# KiCad board Mynd_Main.kicad_pcb (continued)
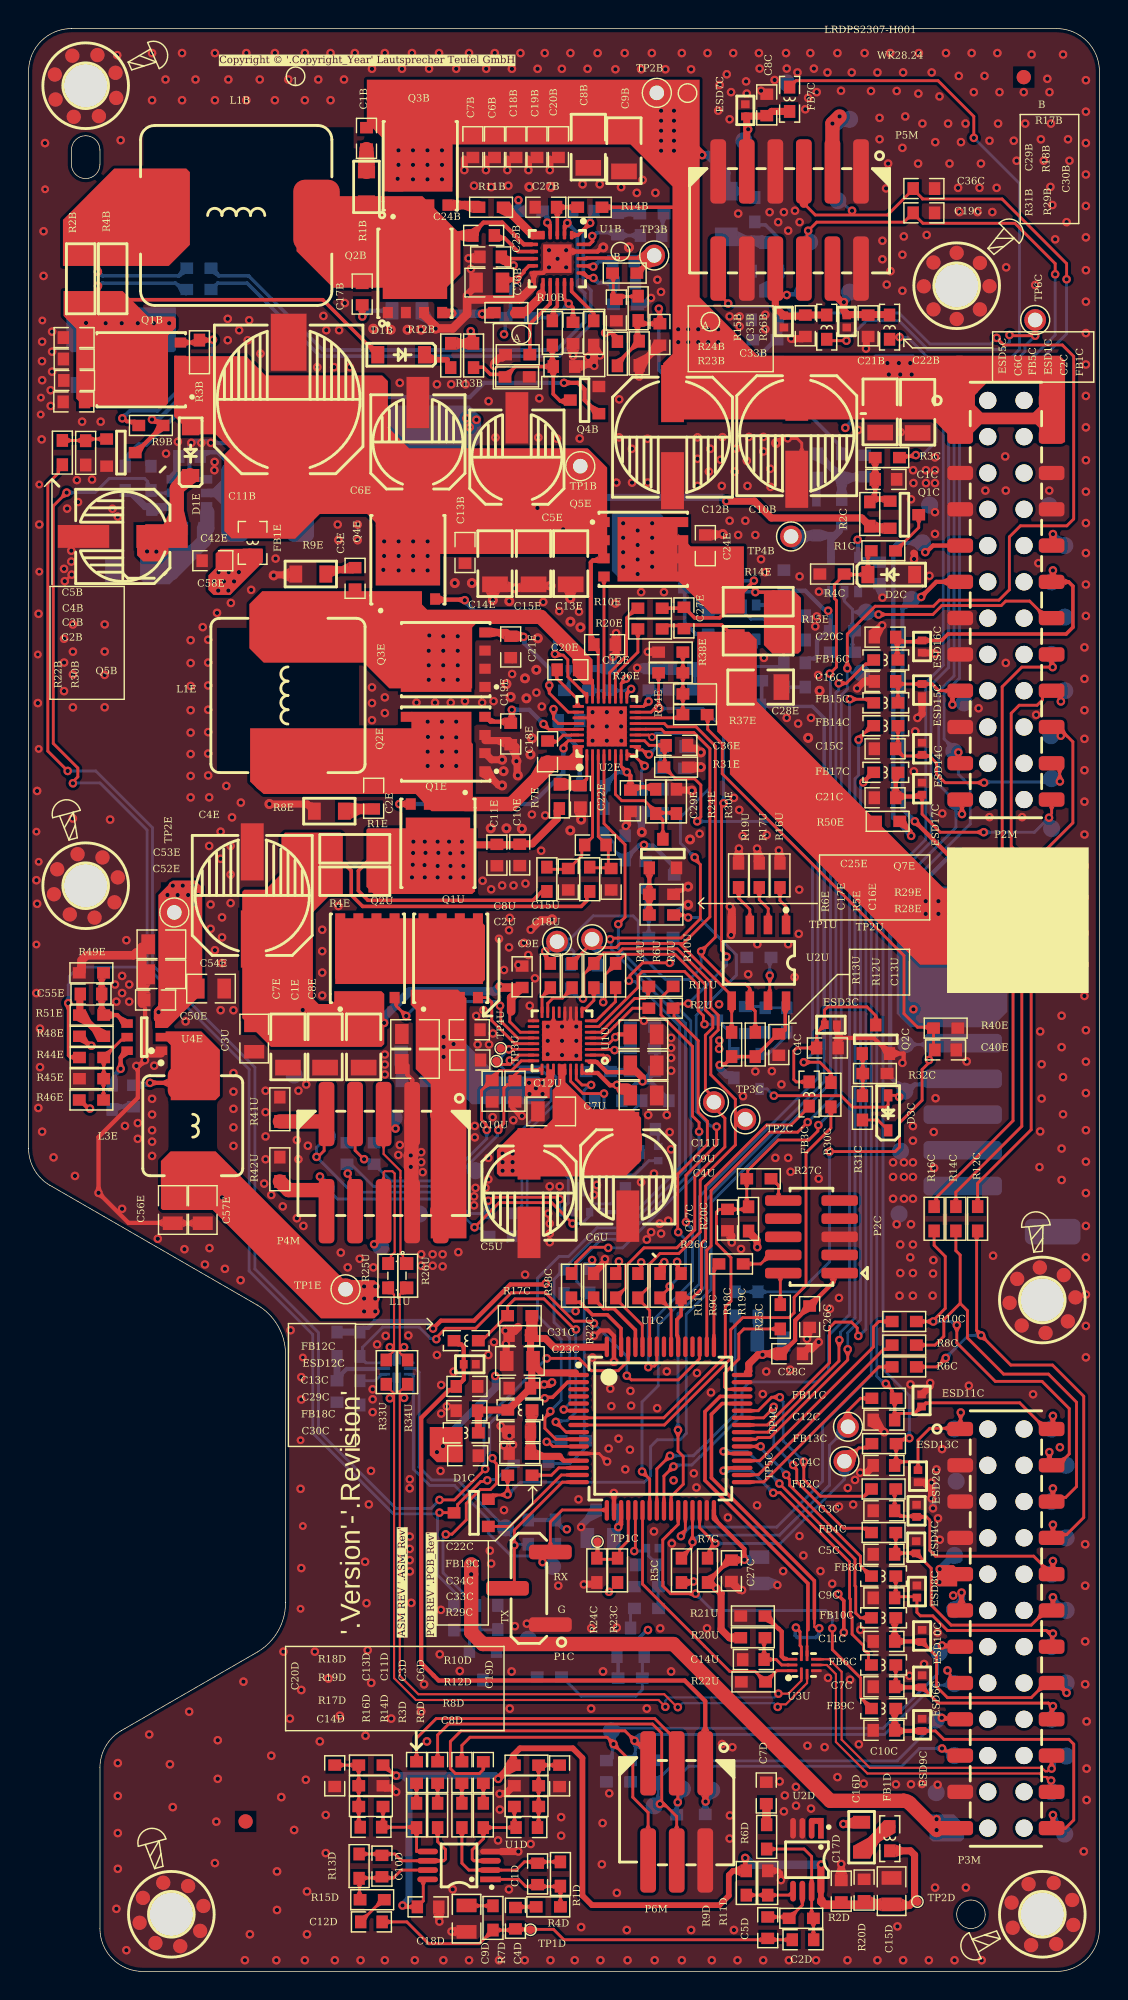
[diagram p0: board, top side]
## Routing (per net, layer and track width the routed paths; a pad name or vN(x,y) marks a point on that pad's centre or on a via; arc(x,y) is an arc through that point) (continued)
5V_CCPD: length 121.5
  Component Side w0.2: 37.59,60.42 37.23,60.78 37.23,62.49 ; 37.24,62.52 37.56,62.84 U1U.29
  Component Side w0.3: v1(13.55,54.18) 12.13,54.18 12.11,54.2 10.1,54.2 ; 10.42,53.97 10.67,53.72 12.29,53.72 ; R48E.1 3.61,65.46 4.22,64.86 4.34,64.86 v1(4.4,64.8) ; 11.9,55.5 10.52,55.47 11.27,56.22
  Component Side w1: 11.27,56.02 11.77,56.02 11.98,55.81 12.13,55.81 12.31,55.62 12.31,54.23 ; 12.11,53.94 12.11,54.23 ; 21.67,47.27 19.92,47.27 13.24,53.94 12.31,53.94 ; v1(63.59,9.89) 61.73,11.76 arc(61.53,11.9) 61.29,11.94 56.14,11.94 45.17,22.92 31.82,22.92 31,23.74 v2(31,27.8) v2(31,28.5) ; 63.59,10.03 P3M.23
  Component Side w1.5: C5U.1 35.33,57.23 37.72,59.62 37.72,61.08
  Component Side w2: C6U.1 41.97,57.77 41.77,57.57 40.67,57.57 39.98,56.88 35.37,56.88
  Mid Layer 2 w0.3: v1(13.55,54.18) 10.65,54.18 5.15,59.68 5.15,60.74 4.4,61.5 v1(4.4,64.8)
  Mid Layer 2 w0.6: v1(63.59,9.89) v1(63.59,10.66)
  Mid Layer 2 w1: v2(31,28.5) 31,45.99 29.97,47.02
  Solder Side w1: TP38M.1 64.93,9.89 v1(63.59,9.89)
  vias: v1(23.5,47.95) v1(23.5,47.1) v1(23.5,46.2) v1(24.28,47.95) v1(24.29,47.1) v1(24.29,46.2) v1(33.2,57.25) v1(33.2,56.65) v1(33.2,56.05) v1(33.9,57.25) v1(33.9,56.65) v1(33.9,56.05)
24V: length 49.4
  Component Side w0.25: R14B.1 45.69,123.49 45.69,123.49
  Component Side w0.6: v1(45.2,128.15) 45.23,128.18 46.14,128.18 v1(47.17,127.15)
  Component Side w1: 44.97,110.69 46.22,110.69 ; 46.22,110.69 46.55,111.03 46.55,114.6 v1(46.2,114.95) 46.2,125.75 44.55,127.4 44.55,127.9 ; 46.22,110.69 62.49,110.69 ; 25.41,128.92 25.46,128.97
  Solder Side w0.6: R34B.2 50.87,124.22 50.47,124.62 R32B.2 48.87,125.88 47.6,127.15 v1(47.17,127.15)
  vias: v1(25.91,127.48) v1(25.91,126.46) v1(25.85,125.48) v1(26.92,127.48) v1(26.92,126.46) v1(26.92,125.44) v1(27.94,127.48) v1(27.94,126.46) v1(27.94,125.44) v1(28.95,127.48) v1(28.95,126.46) v1(28.95,125.44) v1(44.3,130.25) v1(44.3,129.55) v1(44.3,128.85) v1(44.3,128.15) v1(44.3,127.45) v1(45.2,130.25) v1(45.2,129.55) v1(45.2,128.85) v1(45.2,127.45) v1(45.5,114.95) v1(45.5,114.05) v1(46.2,114.05) v1(46.9,114.95) v1(46.9,114.05) v1(47.6,114.95) v1(47.6,114.05) v1(48.3,114.95) v1(48.3,114.05) v1(60.15,112.58) v1(60.25,111.78) v1(60.95,112.58) v1(61.05,111.78) v1(61.75,112.58) v1(61.85,111.78)
GND: length 209.9
  Component Side w0.192: U1U.14 36.76,65.74 v1(37.36,65.14) ; 38.36,64.15 38.37,64.14
  Component Side w0.2: C10B.2 54.15,104.8 54.15,106.98 53.82,107.32 ; 38.55,36.25 39.95,36.25 v1(40.52,35.69) ; v1(36.5,52.35) 36.45,52.4 36.45,53 v1(36.4,53.05) ; 37.43,66.16 37.43,65.47 37.56,65.34 ; 53.82,107.32 v1(53.17,107.32) ; 53.82,107.32 52.72,107.32 52.38,106.98 v4(52.35,106.98) ; 37.96,65.74 U1U.11 ; 37.96,65.74 37.56,65.34 ; 37.96,65.74 v1(38.36,66.14) U1U.10 ; 40.51,88.15 40.1,87.75 U2E.27 ; 37.56,65.34 v1(37.36,65.14) 37.36,65.47 ; 35.31,66.54 U1U.17 ; v1(2.54,97.32) 2.55,97.32 3.01,97.78 v1(3.02,97.78) ; 37.36,66.16 37.56,66.36 U1U.12
  Component Side w0.25: v4(46.2,75.93) 46.07,75.93 45.81,75.68 45.35,75.68 45.18,75.5
  Component Side w0.3: v1(40.99,33.49) 41,33.49 41,32.3 ; 7.65,63.28 v1(8.15,63.78) ; v1(61.2,63.6) 61.29,63.69 61.29,64.25 Q2C.S 59.19,65.34 56.62,65.34 ; 26.8,61.18 27.07,60.92 27.07,59.62 ; U1C.63 41,44.48 40.61,44.87 40.05,44.87 39.68,44.5 v1(39.6,44.5) ; 56.62,65.34 ESD3C.1 ; 56.62,65.34 56.62,64.72 C4C.2 ; 33.72,60.86 33.87,60.71 33.87,60.45 34.35,59.97 ; 26.54,63.42 26.54,62.74 26.87,62.42 26.87,60.27 ; v1(41,42.68) 41,43.7 ; C57E.2 10.16,52.38 10.14,52.4 7,52.4 v1(4.9,54.5) 4.9,58.4 7.65,61.16 7.65,63.07 7.61,63.11 7.61,63.25 7.65,63.29 ; v1(52.69,6.39) 52.69,6.89 52.54,7.04 R11D.1 ; v1(35.21,118.07) 35.38,118.24 U1B.10 36.03,118.89 U1B.0 37.53,120.39 U1B.19 39.85,120.39 40.14,120.68 v4(40.25,120.68) ; 8.16,67.42 8.16,64.22 8.02,64.08 8.02,63.78
  Component Side w0.5: 18.82,97.79 18.79,97.76 17.21,97.76 v4(17.17,97.72) ; v1(58.24,34.91) 58.26,34.93 58.71,34.93 59.01,35.22 59.01,35.27 C14C.2 ; 59.3,93.4 59.3,93.74 v1(59.78,94.22) ; v1(40.37,49.86) 40.35,49.84 40.35,49.65 39.75,49.05 39.72,49.05 39.58,48.9 ; 36.63,73.61 35.89,73.61 35.19,72.92 v1(35.17,72.92) ; 33.03,96.86 34.03,96.86 v4(34.07,96.82) 34.11,96.86 35.47,96.86 35.5,96.83 ; v1(54.52,44.28) 54.54,44.3 54.54,44.93 54.64,45.04 54.7,45.04 ; 40.9,75.55 40.75,75.7 40.75,75.7 ; v1(29.63,2.8) 30.68,2.8 ; 33.97,85.87 33.92,85.87 33.63,86.16 31.97,86.16 ; 32.67,96.89 32.64,96.89 32.52,96.77 v4(32.52,95.99) ; v1(41.83,80.18) 41.95,80.3 41.95,81.05 41.95,81.05 42.15,81.05 ; v1(58.65,113.6) 58.67,113.62 58.67,114.41 58.8,114.55 ; v4(48.62,100.62) 48.6,100.6 47.4,100.6 ; R19U.2 49.74,77.59 49.74,78.59 v1(49.75,78.6) ; v1(63.48,92.23) 63.45,92.23 63.39,92.29 62.63,92.29 ; v1(62.25,87.75) 62.28,87.75 62.56,88.03 62.58,88.03 62.58,89.24 ; 37.9,79.83 v4(37.94,79.87) ; 49.12,74.51 49.26,74.36 49.26,72.97 ; C28C.2 54.68,43.72 54.97,43.72 55.31,44.06 v1(55.34,44.06) 54.84,43.56 ; v1(49.97,26.69) 49.78,26.69 49.23,27.25 ; 62.57,40.39 63.13,40.95 63.13,41.17 v1(63.15,41.19) ; 48.95,51.8 49.25,51.5 v1(49.25,51.03) ; 34.22,84.77 34.22,83.82 34.27,83.77 v4(34.27,83.72) ; 37.97,97.04 37.94,97.02 v4(37.94,96.12) ; v4(47.08,85.33) 47.03,85.33 46.74,85.62 46.3,85.62 46.15,85.78 C36E.2 ; ESD13C.1 62.72,34.24 63.24,33.72 v1(63.24,33.12) ; 33.97,85.87 34.12,85.72 34.13,85.72 34.13,84.76 v4(34.17,84.72) ; v1(53.41,114.3) 53.44,114.3 53.47,114.26 53.67,114.26 53.7,114.3 54.2,114.3 54.22,114.32 54.22,114.54 ; R12D.2 33.97,13 33.43,12.45 33.01,12.45 v1(32.99,12.43) ; 52.77,89.51 52.77,89.7 53.03,89.95 ; v4(38.7,80.62) 38.7,81.43 ; 44.22,113.66 44.22,113.87 R29B.2 ; v4(33.17,83.02) 33.13,83.06 32.9,83.06 32.12,83.84 32.12,83.91 32.03,84 31.95,84 ; v1(35.01,126.09) 35.01,126.87 ; 56.92,6.41 v1(56.92,7.52) ; v1(43.38,92.38) 44.13,92.38 ; v1(33.53,126.09) 33.53,126.87 ; 33.77,91.92 33.87,91.81 ; 31.37,118.22 31.37,118.02 30.73,117.38 30.73,117.32 ; v1(52.55,78.47) 52.56,78.45 52.56,77.64 R16U.2 ; v1(38.13,113.09) 38.13,113.84 ; 35.37,96.99 v4(36.57,96.99) ; R24B.2 33.18,112.94 32.94,112.94 32.6,112.6 v1(32.6,112.4) ; 33.12,8.4 v1(34.3,8.4) ; v1(28.78,3.49) 28.76,3.51 28.76,4.5 28.78,4.52 ; v1(36.51,126.09) 36.51,126.87 ; R8E.2 20.02,81.37 19.82,81.57 19.67,81.57 19.52,81.72 v4(16.87,81.72) ; v1(33.06,38.18) 33.06,38.16 33.42,37.8 33.42,37.49 ; 58.05,89.84 58.51,90.3 59.2,90.3 ; v1(32.03,126.09) 32.03,126.87 ; R17U.2 51.04,77.71 51.04,78.58 v1(51.02,78.6) ; v1(30.52,126.09) 30.52,126.87 ; v1(25.75,12.56) 25.72,12.56 25.44,12.85 24.98,12.85 R19D.1 ; R31E.1 v4(47.08,84.3) ; Q2E.2 32.43,84.82 v4(33.17,84.82) ; Q7E.S 45.38,77.3 ; v1(30.82,119.92) 31.57,119.92 ; v4(46.45,82.66) 46.42,82.7 45.48,82.7 45.43,82.75 ; v1(40.92,92.03) 41.15,92.25 v1(41.15,93.68) ; v1(38.89,27.09) 38.91,27.11 39.69,27.11 R24C.1 ; C33B.2 38.25,112.5 39.51,112.5 v1(39.62,112.39) 39.62,112.79 39.39,113.02 v1(39.19,113.02) 39.29,113.12 v1(40.02,113.12) 39.58,113.55 R26B.2 ; 59.07,38.56 59.14,38.56 59.93,37.77 v1(59.93,37.75) ; v1(62.02,98.87) 62.04,98.89 62.04,99.24 62,99.28 ; v1(42.77,111.64) 42.77,112.39 ; C23C.2 33.45,42.77 33.45,43.9 v1(33.43,43.92)
  Component Side w0.6: v1(30.71,117.3) 30.71,116.02 29.71,115.01 28.52,115.01 28.49,115.04 28.49,115.17 27.75,115.91 27.75,116.02 ; v1(33.4,44.85) 34.03,44.85 34.28,45.1 ; 8.16,64.22 8.21,64.27 9.27,64.27 ; R49E.2 3.6,69.9 3.7,70 3.7,70.34 3.71,70.35 3.71,70.78 4.07,71.13 7.35,71.13 7.54,71.32 7.77,71.32 7.94,71.49 7.94,71.72 7.95,71.71 7.95,69.63 7.97,69.62 7.94,69.59 7.94,67.75 ; 8.11,67.82 8.14,67.85 ; 35.28,117.92 34.4,117.04 30.79,117.04
  Component Side w1: 26.92,59.62 26.82,59.52 26.82,57.17 v1(26.77,57.12) 26.77,57.11 v1(26.77,56.32) ; 26.82,53.12 26.82,56.27 26.8,56.28
  Solder Side w0.25: R23E.1 45.23,73.95 45.85,74.58 46.11,74.58 v4(46.2,74.66)
  Solder Side w0.3: U3E.1 11.89,104.44 11.27,105.07 11.27,106.87 11.52,107.12 12.44,107.12 12.5,107.06 12.71,107.06 v1(12.77,107) ; 12.76,106.99 13.44,106.99 13.45,106.98 17.71,106.98 17.84,107.12
  Solder Side w0.4: v1(55.36,96.58) 56.13,96.58
  Solder Side w0.5: v1(42.63,91.25) 43.45,91.25 43.5,91.2 44.98,91.2 ; v1(63.34,32.42) 63.34,34.12 v1(63.24,34.22) ; 42.93,81.2 43.03,81.1 44.45,81.1 ; R16B.2 43.14,116.69 v1(43.59,117.14) ; v4(28.51,114.99) 28.47,115.03 28.47,115.18 27.48,116.17 27.48,116.24 ; 45.94,85.75 45.94,85.74 46.13,85.55 46.81,85.55 47.03,85.33 v4(47.08,85.33) ; v1(38.7,31.1) 38.72,31.12 38.72,31.23 39.7,32.2 39.7,32.3 ; 46,84.23 46.04,84.26 47.05,84.26 v4(47.08,84.3) ; 59.69,97.19 59.78,97.09 59.78,96.19 v1(59.8,96.17) ; v4(42.95,79.75) 42.93,79.78 42.93,81.15 ; v1(40.92,92.03) 40.92,91.43 40.7,91.2 39.15,91.2 ; R42E.2 8.57,105.41 8.42,105.56 ; v1(52.44,27.04) 52.31,27.18 51.17,27.18 ; R16E.2 41.78,79.67 41.81,79.7 41.81,80.16 v1(41.83,80.18) ; R28B.2 42.73,123.12 41.26,123.12
  Solder Side w0.8: 18.12,70.78 C23E.2
  vias: v1(0.6,82.63) v1(0.55,76.38) v1(0.6,74.73) v1(0.55,68.48) v1(0.7,95.03) v1(0.65,88.78) v1(0.68,60.44) v1(0.75,101.28) v1(0.8,66) v1(0.8,63.3) v1(0.94,112.72) v1(0.92,107.24) v1(0.95,114.08) v1(0.95,111.38) v1(0.95,58.78) v1(1.05,121.81) v1(1.05,118.68) v1(1.15,127.98) v1(1.55,110.68) v1(1.55,109.58) v1(1.65,114.78) v1(1.65,113.38) v1(1.65,111.98) v1(1.75,56.98) v1(2.49,98.18) v1(2.49,93.29) v1(2.49,91.62) v1(2.49,89.62) v1(2.7,102.4) v1(2.99,99.45) v1(2.99,98.69) v1(3.11,94.28) v1(3.11,92.38) v1(3.11,90.78) v1(3.11,88.48) v1(3.25,55.68) v1(3.38,104.4) v1(3.46,102.86) v1(3.75,108.48) v1(4.45,104.43) v1(5.05,108.48) v1(5.33,94.29) v1(5.33,92.39) v1(5.33,90.76) v1(5.33,88.49) v1(5.88,102.38) v1(6.05,69.08) v1(6.21,134.14) v1(6.25,101.84) v1(6.15,67.88) v1(6.15,4.38) v1(6.25,14.58) v1(6.25,12.28) v1(6.25,9.68) v1(6.25,7.18) v1(6.45,128.18) v1(6.55,69.68) v1(6.55,68.48) v1(6.55,53.38) v1(6.75,59.18) v1(6.85,72.18) v1(6.85,1.48) v1(7.05,69.08) v1(7.05,67.88) v1(7.55,63.38) v1(7.65,59.38) v1(7.65,58.28) v1(8.45,16.58) v1(8.65,134.28) v1(8.65,130.98) v1(8.65,61.08) v1(8.65,59.98) v1(8.65,58.88) v1(8.65,58.08) v1(8.65,57.08) v1(8.8,63.4) v1(9.05,51.28) v1(9.59,132.43) v1(9.63,106.25) v1(10.46,107.08) v1(10.75,134.28) v1(10.75,130.98) v1(10.92,50.56) v1(11,66.5) v1(11.25,18.18) v1(11.4,107) v1(11.35,93.18) v1(11.35,91.58) v1(11.35,89.98) v1(11.35,88.28) v1(11.35,86.72) v1(11.35,85.22) v1(11.35,83.68) v1(11.35,82.18) v1(11.69,132.43) v1(12.1,107) v1(12.2,94.1) v1(12.35,49.48) v1(12.58,93.22) v1(12.58,91.62) v1(12.58,90.02) v1(12.58,88.32) v1(12.58,86.75) v1(12.58,85.25) v1(12.58,83.72) v1(12.65,82.18) v1(12.65,78.78) v1(12.67,50.63) v1(12.75,74.68) v1(12.75,72.98) v1(13.03,105.66) v1(13.01,105.08) v1(13.05,134.28) v1(13.05,130.98) v1(13.05,71.48) v1(13.05,7.58) v1(13.2,95.1) v1(13.15,10.48) v1(13.25,16.18) v1(13.25,13.48) v1(13.45,79.78) v1(13.45,77.88) v1(13.45,67.28) v1(13.55,73.78) v1(13.55,72.38) v1(13.55,70.58) v1(13.75,49.18) v1(13.85,82.98) v1(13.99,132.43) v1(13.95,115.68) v1(13.95,114.18) v1(14.17,95.79) v1(14.15,78.78) v1(14.15,76.78) v1(14.15,74.78) v1(14.25,80.78) v1(14.35,67.28) v1(14.35,62.88) v1(14.35,61.58) v1(14.35,60.38) v1(14.35,59.08) v1(14.35,57.78) v1(14.75,114.88) v1(14.87,81.82) v1(14.85,48.38) v1(15.05,20.28) v1(15.15,0.78) v1(15.25,134.28) v1(15.25,130.98) v1(15.35,114.18) v1(15.45,115.58) v1(15.59,96.71) v1(16.19,132.43) v1(16.5,55.15) v1(16.6,61.65) v1(16.6,60.15) v1(16.6,58.45) v1(16.6,56.85) v1(17,54.35) v1(17.25,134.28) v1(17.25,130.98) v1(17.3,98.9) v1(17.35,0.78) v1(17.8,53.55) v1(17.85,22.38) v1(18.19,132.43) v1(18.35,44.88) v1(18.79,58.2) v1(18.79,52.72) v1(18.9,61.65) v1(18.9,56.85) v1(19.1,41.6) v1(19.1,40.03) v1(19.05,33.78) v1(19.1,28.23) v1(19.25,52.18) v1(19.35,134.28) v1(19.35,130.98) v1(19.42,13.42) v1(19.35,0.78) v1(19.45,62.08) v1(19.56,57.8) v1(20.05,22.38) v1(20.29,132.43) v1(20.57,72.92) v1(20.57,71.42) v1(20.57,69.92) v1(20.57,68.32) v1(20.65,115.88) v1(20.82,10.95) v1(20.82,8.28) v1(20.85,114.88) v1(21.15,134.28) v1(21.15,130.98) v1(21.4,112.3) v1(21.45,0.78) v1(21.65,101.28) v1(21.7,100.2) v1(21.7,74.58) v1(21.75,114.88) v1(21.87,50.32) v1(22.09,132.43) v1(22.15,116.78) v1(22.35,49.28) v1(22.5,112.3) v1(22.85,134.28) v1(23.05,101.28) v1(23.05,100.18) v1(23.19,49.88) v1(23.25,0.78) v1(23.57,28.68) v1(23.67,25.78) v1(23.83,32.69) v1(23.75,22.48) v1(23.98,35.04) v1(24.05,133.18) v1(24.05,89.88) v1(24.05,88.78) v1(24.05,87.58) v1(24.1,40.75) v1(24.1,40.05) v1(24.1,39.15) v1(24.15,49.28) v1(24.41,43.89) v1(24.95,134.28) v1(24.95,89.18) v1(24.95,88.08) v1(24.95,64.18) v1(24.95,63.48) v1(24.95,62.78) v1(25.01,44.49) v1(24.95,0.78) v1(25.9,57.15) v1(26,57.85) v1(26.15,133.18) v1(26.6,44.52) v1(26.7,34.45) v1(26.69,30.44) v1(26.69,29.58) v1(26.69,28.79) v1(26.85,134.28) v1(27.05,0.78) v1(27.17,88.82) v1(27.5,57.35) v1(27.5,56.65) v1(27.5,50.2) v1(27.5,49.4) v1(27.6,55.95) v1(28.05,133.18) v1(28.3,50.2) v1(28.3,49.4) v1(28.47,88.82) v1(28.6,43.15) v1(28.75,134.28) v1(28.9,41.05) v1(28.9,39.05) v1(28.85,35.04) v1(28.88,25.31) v1(29,50.2) v1(29,49.35) v1(29.05,0.78) v1(29.3,39.55) v1(29.57,88.82) v1(29.71,5.74) v1(29.77,41.99) v1(29.95,133.18) v1(30.1,50.35) v1(30.57,88.92) v1(30.85,134.28) v1(30.85,0.78) v1(31.2,54.25) v1(31.2,53.63) v1(31.25,59.18) v1(31.25,58.38) v1(31.3,54.85) v1(31.35,66.88) v1(31.45,64.88) v1(31.77,88.82) v1(31.8,76.35) v1(31.86,67.29) v1(32,54.85) v1(32.05,133.18) v1(32.2,56.95) v1(32.2,55.45) v1(32.2,43.15) v1(32.25,64.88) v1(32.31,29.45) v1(32.4,75.75) v1(32.4,28.55) v1(32.52,65.66) v1(32.5,59.8) v1(32.57,88.92) v1(32.6,44.05) v1(32.65,134.28) v1(32.88,9.17) v1(32.95,72.28) v1(33.01,11.33) v1(32.95,0.78) v1(33.17,76.02) v1(33.3,70.1) v1(33.3,32.29) v1(33.64,5.74) v1(33.7,73.75) v1(33.65,72.88) v1(33.65,71.68) v1(33.85,133.18) v1(33.87,90.82) v1(33.93,36.87) v1(33.97,76.02) v1(33.95,59.58) v1(34.06,24.17) v1(34.3,70.45) v1(34.45,134.28) v1(34.55,59.88) v1(34.7,72) v1(34.8,76.15) v1(34.78,48.77) v1(34.75,0.78) v1(34.9,24.34) v1(35,71.15) v1(35.1,67.6) v1(35.17,8.92) v1(35.25,80.98) v1(35.47,69.52) v1(35.57,89.52) v1(35.65,133.18) v1(35.94,88.54) v1(35.9,78.45) v1(36.05,95.86) v1(36.15,134.28) v1(36.18,80.92) v1(36.36,66.14) v1(36.36,65.14) v1(36.36,64.2) v1(36.45,120.48) v1(36.45,119.28) v1(36.5,51.65) v1(36.55,0.78) v1(37.05,119.88) v1(37.1,27) v1(37.17,95.22) v1(37.3,10.8) v1(37.3,9.5) v1(37.35,133.18) v1(37.36,66.14) v1(37.36,64.14) v1(37.65,120.48) v1(37.65,119.28) v1(37.95,134.28) v1(38.25,0.78) v1(38.36,65.14) v1(38.36,64.1) v1(38.52,33.04) v1(38.55,95.18) v1(39.15,133.18) v1(39.41,24.03) v1(39.5,88.15) v1(39.5,87.15) v1(39.5,86.15) v1(39.5,42.97) v1(39.85,134.28) v1(40.05,0.78) v1(40.2,10.38) v1(40.15,7.5) v1(40.5,88.15) v1(40.5,87.15) v1(40.5,86.15) v1(40.63,36.6) v1(40.74,40.79) v1(40.67,12.47) v1(40.82,39.57) v1(41.1,133.15) v1(41.1,95.75) v1(41.17,104.22) v1(41.2,24.06) v1(41.2,5.5) v1(41.32,37.29) v1(41.37,110.04) v1(41.35,107.38) v1(41.5,88.15) v1(41.5,87.15) v1(41.52,86.15) v1(41.75,134.28) v1(41.79,35.14) v1(41.95,0.78) v1(42.12,36.52) v1(42.15,40.64) v1(42.2,39.6) v1(42.25,106.58) v1(42.27,104.22) v1(42.9,133.15) v1(42.9,96.55) v1(43.1,66.55) v1(43.35,107.28) v1(43.37,104.22) v1(43.65,134.28) v1(43.8,55.85) v1(43.85,0.78) v1(44.04,118.42) v1(44.03,39.43) v1(44.24,24.02) v1(44.29,117.57) v1(44.3,51.65) v1(44.5,96.55) v1(44.6,133.15) v1(44.7,42) v1(45.05,29.96) v1(45.18,34.38) v1(45.75,134.28) v1(45.75,0.78) v1(46.4,133.15) v1(46.59,34.87) v1(46.81,41.89) v1(46.78,33.88) v1(46.85,107.38) v1(46.85,105.88) v1(46.85,103.98) v1(47,79.64) v1(47.52,24.02) v1(47.55,134.28) v1(47.65,104.98) v1(47.75,106.58) v1(47.79,40.53) v1(47.85,0.78) v1(48.3,130.25) v1(48.4,132.05) v1(48.36,67.7) v1(48.38,65.16) v1(48.36,64.58) v1(48.47,105.82) v1(48.6,107.4) v1(48.55,103.98) v1(48.57,15.92) v1(48.9,132.8) v1(48.98,31.78) v1(49.1,129.65) v1(49.1,115.85) v1(49.1,101.55) v1(49.12,74.54) v1(49.12,10.92) v1(49.1,9.3) v1(49.2,131.55) v1(49.2,72.55) v1(49.29,15.69) v1(49.35,134.28) v1(49.4,82.15) v1(49.45,104.98) v1(49.55,106.58) v1(49.7,123.05) v1(49.7,100.55) v1(49.65,0.78) v1(49.8,115.85) v1(49.8,115.15) v1(49.9,50.57) v1(50.01,79.49) v1(50.04,61.27) v1(50.2,101.55) v1(50.25,132.3) v1(50.3,131.45) v1(50.3,105.75) v1(50.35,103.98) v1(50.45,107.42) v1(50.9,100.55) v1(50.9,63) v1(51.04,71.91) v1(51.02,32.63) v1(51.15,134.28) v1(51.2,133.2) v1(51.3,131.65) v1(51.3,98.85) v1(51.42,40.41) v1(51.47,107.42) v1(51.47,106.4) v1(51.5,91.95) v1(51.45,0.78) v1(51.6,115.97) v1(51.6,114.95) v1(51.6,97.95) v1(51.7,79.55) v1(51.67,41.99) v1(51.9,123.15) v1(51.95,105.18) v1(51.97,103.92) v1(52.06,63.02) v1(52.25,132.4) v1(52.3,56.95) v1(52.5,122.45) v1(52.73,62.09) v1(52.85,28.02) v1(52.9,123.15) v1(52.9,11.2) v1(52.96,12.32) v1(53.05,134.28) v1(53.1,133.2) v1(53.1,87.75) v1(53.2,121.85) v1(53.2,71.91) v1(53.2,56.95) v1(53.34,42.12) v1(53.25,0.78) v1(53.36,55.98) v1(53.67,123.25) v1(53.74,12.92) v1(53.75,11.6) v1(53.85,132.93) v1(53.9,87.35) v1(53.94,72.63) v1(54,122.45) v1(54,97.65) v1(53.98,75.73) v1(53.99,30.48) v1(54.27,29.12) v1(54.4,130.35) v1(54.6,131.15) v1(54.55,15.8) v1(54.75,134.28) v1(54.8,87.75) v1(54.8,11.4) v1(55,133.2) v1(55.1,94.15) v1(55.2,131.55) v1(55.2,94.85) v1(55.15,0.78) v1(55.3,90.75) v1(55.34,55.49) v1(55.46,28.02) v1(55.75,15.7) v1(55.95,132.93) v1(55.99,20.55) v1(56.12,46.38) v1(56.28,27.14) v1(56.65,134.28) v1(56.65,13.6) v1(56.76,47.15) v1(56.76,32.54) v1(56.9,131.65) v1(57.37,33.84) v1(57.35,0.78) v1(57.53,20.42) v1(57.65,132.93) v1(57.75,32.68) v1(57.88,34.41) v1(58.03,89.82) v1(58.15,15.9) v1(58.26,23.91) v1(58.49,13.14) v1(58.55,134.28) v1(59,131.63) v1(59.45,132.93) v1(59.45,0.78) v1(59.6,129.75) v1(59.6,128.25) v1(59.8,121.15) v1(59.8,119.85) v1(60.06,124.81) v1(60.1,118.08) v1(60.2,126.55) v1(60.35,134.28) v1(60.37,119.02) v1(60.55,56.63) v1(60.55,55.61) v1(60.55,54.09) v1(60.75,13.09) v1(60.8,131.63) v1(60.85,3.15) v1(61.05,50.88) v1(61.05,48.88) v1(61.2,127.65) v1(61.2,120.17) v1(61.2,117.65) v1(61.25,132.93) v1(61.3,121.45) v1(61.31,56.63) v1(61.31,55.61) v1(61.31,54.09) v1(61.25,0.78) v1(61.4,129.85) v1(61.69,20.69) v1(61.8,103.05) v1(61.75,49.98) v1(61.77,41.09) v1(61.8,13.1) v1(61.94,59.17) v1(61.94,58.15) v1(61.94,56.63) v1(61.94,55.61) v1(61.94,54.09) v1(61.94,50.88) v1(61.94,48.88) v1(61.95,105.08) v1(61.97,104.18) v1(62.32,131.45) v1(62.3,126.55) v1(62.35,134.28) v1(62.6,129.35) v1(62.57,13.12) v1(62.72,21.52) v1(62.9,121.55) v1(62.85,105.08) v1(62.85,104.18) v1(63.09,97.69) v1(63.05,0.78) v1(63.25,132.93) v1(63.34,48.85) v1(63.32,47.31) v1(63.4,58.76) v1(63.42,56.24) v1(63.37,49.79) v1(63.5,128.05) v1(63.48,105.98) v1(63.48,105.08) v1(63.48,104.18) v1(63.48,102.15) v1(63.48,100.63) v1(63.52,61.12) v1(63.49,5.87) v1(63.59,35.14) v1(63.69,31.72) v1(63.67,23.72) v1(63.67,13.07) v1(63.8,131.25) v1(63.82,30.22) v1(64,81.05) v1(63.98,36.56) v1(64.25,134.28) v1(64.4,129.35) v1(64.5,126.55) v1(64.85,0.78) v1(65.1,124.85) v1(65.15,132.68) v1(65.2,123.15) v1(65.3,128.05) v1(65.62,129.35) v1(65.65,5.87) v1(65.85,41) v1(66.05,134.28) v1(66.2,131.55) v1(66.45,123.16) v1(66.54,88.42) v1(66.6,124.85) v1(66.7,126.55) v1(66.75,0.78) v1(66.95,132.68) v1(67.01,103.66) v1(67.3,128.15) v1(67.3,80.8) v1(67.5,123.16) v1(67.55,50.1) v1(67.8,124.85) v1(67.85,134.28) v1(67.9,129.35) v1(68,131.55) v1(68.4,106.05) v1(68.44,103.66) v1(68.44,91.59) v1(68.47,119.29) v1(69,128.15) v1(69.2,126.75) v1(69.58,80.8) v1(69.7,131.55) v1(69.8,129.35) v1(70.25,134.18) v1(70.35,40.4) v1(70.5,118.05) v1(70.57,87.96) v1(70.73,98.58) v1(70.8,56.3) v1(70.9,128.25) v1(70.85,65.8) v1(70.85,58.8) v1(70.95,63.5) v1(70.95,61.1) v1(71.1,126.75) v1(71.35,132.48) v1(71.5,131.55) v1(71.49,103.66) v1(71.6,129.35) v1(71.57,124.92) v1(71.7,123.65) v1(71.9,121.25) v1(72.1,72.1) v1(72.23,36.69) v1(72.35,69.5) v1(72.35,66.9) v1(72.35,64.7) v1(72.35,57.6) v1(72.35,55.4) v1(72.45,134.18) v1(72.45,62.6) v1(72.45,60) v1(72.7,122.45) v1(72.8,128.25) v1(72.9,126.75) v1(73.95,92.68) v1(73.95,90.48) v1(73.95,88.28) v1(73.95,86.28) v1(73.95,84.08) v1(73.95,81.88) v1(73.95,79.58) v1(73.95,77.38) v1(73.95,68.28) v1(74.05,132.38) v1(74.05,130.18) v1(74.05,127.98) v1(74.05,125.78) v1(74.05,123.58) v1(74.05,121.38) v1(74.05,119.08) v1(74.05,116.88) v1(74.05,114.68) v1(74.05,112.48) v1(74.05,110.28) v1(74.05,108.08) v1(74.05,105.78) v1(74.05,103.58) v1(74.05,101.38) v1(74.05,99.28) v1(74.05,97.08) v1(74.05,94.88) v1(74.05,65.88) v1(74.05,63.68) v1(74.05,61.48) v1(74.05,58.88) v1(74.05,56.68) v1(74.05,54.48) v1(74.05,52.18) v1(74.05,49.98) v1(74.05,47.38) v1(74.05,45.18) v1(74.05,42.98) v2(3.1,80.71) v2(5.71,80.63) v2(9.9,14.5) v2(10.1,11.5) v2(15.5,2.6) v2(16.24,113.24) v2(17,15.1) v2(17.4,7) v2(17.4,4.3) v2(17.7,12.2) v2(18.3,17.7) v2(18.6,9.9) v2(19.1,19.7) v2(19.5,5.6) v2(19.5,2.6) v2(20.22,112.29) v2(20.4,16.1) v2(21,20.5) v2(21.8,17.9) v2(23.6,16.5) v2(24,20.2) v2(25.4,17.7) v2(26,111.2) v2(26.69,33.82) v2(26.7,28) v2(26.8,25.8) v2(27.5,18.2) v2(27.7,20.1) v2(27.9,16.1) v2(28.6,111.1) v2(28.8,22.2) v2(29.6,111.1) v2(30.2,21.03) v2(30.6,111.1) v2(30.98,119.17) v2(31.2,125) v2(32.22,109.92) v2(32.4,124.9) v2(32.7,107.38) v2(33.6,125) v2(33.7,18.4) v2(33.83,21) v2(35.7,107.38) v2(35.77,110.12) v2(36.5,54.95) v2(36.5,51.05) v2(37,107.3) v2(37.2,54.95) v2(38.6,107.3) v2(38.7,3.1) v2(38.8,125.1) v2(39.4,18.4) v2(39.59,54.36) v2(39.8,55.05) v2(40,125.1) v2(40.23,21) v2(41.5,124.9) v2(41.9,2.9) v2(42.6,124.5) v2(42.9,55.25) v2(43,125.4) v2(43.3,51.23) v2(43.3,18.4) v2(43.4,59.95) v2(43.6,51.75) v2(43.8,30.8) v2(43.9,124.5) v2(44.2,52.35) v2(44.7,59.95) v2(44.8,52.55) v2(44.9,58.75) v2(45,65.35) v2(45,64.65) v2(45,63.95) v2(45,63.05) v2(45,57.55) v2(45,21) v2(46.4,2.9) v2(49.4,2.9) v2(49.77,81.31) v2(50.4,69.8) v2(52.6,13.3) v2(53.65,69.6) v2(58.1,107.9) v2(60.8,52.3) v2(61,47.3) v2(61.07,107.74) v2(61.8,52.3) v2(61.93,47.3) v2(62,84) v2(62.1,86.8) v2(65.7,63.7) v2(73.9,8.4) v2(73.95,75.18) v2(73.95,72.68) v2(73.95,70.48) v2(74,29.9) v2(74,27) v2(74,23.1) v2(74,20.1) v2(74.1,17.5) v2(74.1,14.2) v2(74.1,12) v3(0.55,79.78) v3(0.55,71.88) v3(0.65,92.18) v3(0.71,85.58) v3(0.71,77.68) v3(0.75,104.08) v3(0.75,97.98) v3(0.87,110.17) v3(0.85,108.98) v3(0.97,115.57) v3(1.16,124.75) v3(19.05,37.18) v3(19.05,25.38) v3(19.21,42.98) v3(19.21,31.18) v4(24.14,114.99) v4(25.37,114.92) v4(26.54,114.92) v4(27.49,114.92) v4(29.85,97.18) v4(31.05,97.18) v4(32.37,80.02) v4(33.27,84.02) v4(33.47,90.12) v4(33.47,80.02) v4(33.67,95.92) v4(33.77,89.22) v4(34.55,79.98) v4(34.77,90.52) v4(34.87,89.12) v4(35.07,124.92) v4(35.15,85.18) v4(35.27,86.32) v4(35.56,91.11) v4(35.67,93.32) v4(36.57,124.92) v4(36.67,73.65) v4(37.95,94.48) v4(38.65,94.08) v4(42.05,120.68) v4(46.33,79.24) v4(54.6,86.35) v4(55.4,89.65) v5(33.3,36.84) v5(33.68,37.5)
VbatADC: length 8.4
  Component Side w0.2: U1C.21 42.5,29.61 42.42,29.53 v1(42.42,29.42)
  Solder Side w0.2: v1(42.42,29.42) 42.42,29.43 43.09,29.43 43.26,29.6 ESD18C.2 43.44,29.45 43.44,29.07 44,28.51 C37C.1 44.12,28.34 R38C.2 44.09,26.91 44.09,25.45 R21C.1
VBUS: length 49.3
  Component Side w0.2: 35.36,65.74 34.44,65.74 33.7,66.48 33.7,67.1 33.8,67.2 ; 20.57,75.99 20.57,78.49
  Component Side w0.25: 39.1,75.6 39.1,74.95 38.7,74.55 23.4,74.55 22.6,75.35 22.6,77.05 22.2,77.45 20.7,77.45 20.57,77.58
  Component Side w0.6: 34.52,68.87 33.08,68.87 v1(33,68.95) ; 16.27,71.52 15.77,71.02 15.77,70.67 ; C9E.1 34.47,68.77 34.42,68.77 33.8,68.16 33.8,67.2 ; 18.17,65.87 23.47,65.87
  Solder Side w0.6: v1(24.9,66.4) 24.9,66.82 26.68,68.6 32.65,68.6 v1(33,68.95) ; v1(19.2,67.3) 18.95,67.05 18.92,67.05 18.79,66.92 18.57,66.92 18.42,66.77 R2E.1
VBUS_2: length 29.1
  Component Side w0.25: 23.89,77.44 24.1,77.65 ; 23.89,77.84 23.1,77.05 23.1,75.65 23.77,74.98 35.33,74.98 35.63,75.27 36.04,75.69
  Component Side w0.35: 23.77,77.52 23.87,77.52 ; 23.87,77.52 23.89,77.49 23.89,76.72 24.17,76.44 24.17,76.12 ; 23.87,77.52 23.89,77.54 23.89,78.24 24.17,78.52 ; 24.37,76.22 24.37,76.32
  Component Side w0.5: 30.35,78.86 33.57,78.86 33.57,78.87 34.4,78.87 34.46,78.93 35.28,78.93 37.03,80.68 37.03,81.25 R7E.1 ; Q1E.8 28.89,78.88 30.35,78.88
  vias: v1(26.93,78.29) v1(26.91,77.47) v1(26.85,76.58) v1(26.95,79.08) v1(27.73,77.44) v1(27.75,79.08) v1(27.8,78.3) v1(27.75,76.58) v1(28.65,79.08) v1(28.7,78.3) v1(28.65,77.38) v1(28.65,76.58) v1(29.45,79.08) v1(29.53,78.27) v1(29.55,77.38) v1(29.55,76.58) v1(30.35,79.08) v1(30.38,78.32) v1(30.45,77.38) v1(30.45,76.58)
VBUS_C: length 22.8
  Component Side w1.5: 29.07,60.02 v1(29.07,64.02) v1(29.07,64.72) 29.27,64.92 v1(29.77,64.92) ; P4M.1 29.07,59.82 29.07,58.52 29.17,58.52 29.65,58.03 29.65,55.2 29.17,54.72 29.07,54.72 29.07,53.42 P4M.2
  Solder Side w0.6: 30.97,62.02 31.3,61.69 34.97,61.69 35.29,62 35.5,62 35.8,61.7 36,61.7 ; v1(29.07,65.42) 28.92,65.27 28.92,64.87 28.97,64.82 ; TP49M.1 29.07,63.52 v1(29.07,64.02) 29.02,64.02 29.02,64.67 v1(29.07,64.72)
  vias: v1(35.05,62.2) v1(35.08,61.42) v1(35.53,61.82) v1(36,62.2) v1(36,61.42)
VDDA: length 7.9
  Component Side w0.2: U2E.7 41.5,84.35 41.65,84.2
  Component Side w0.3: 41.65,84.2 v1(41.9,83.95) 42.15,83.7 42.15,82.9 43.83,82.9 43.93,82.8
  Solder Side w0.3: 40.3,81.4 R19E.2 41.25,83.95 v1(41.9,83.95)